# KiCad board HPM1500_DDR2_CORE_RevA.kicad_pcb (continued)
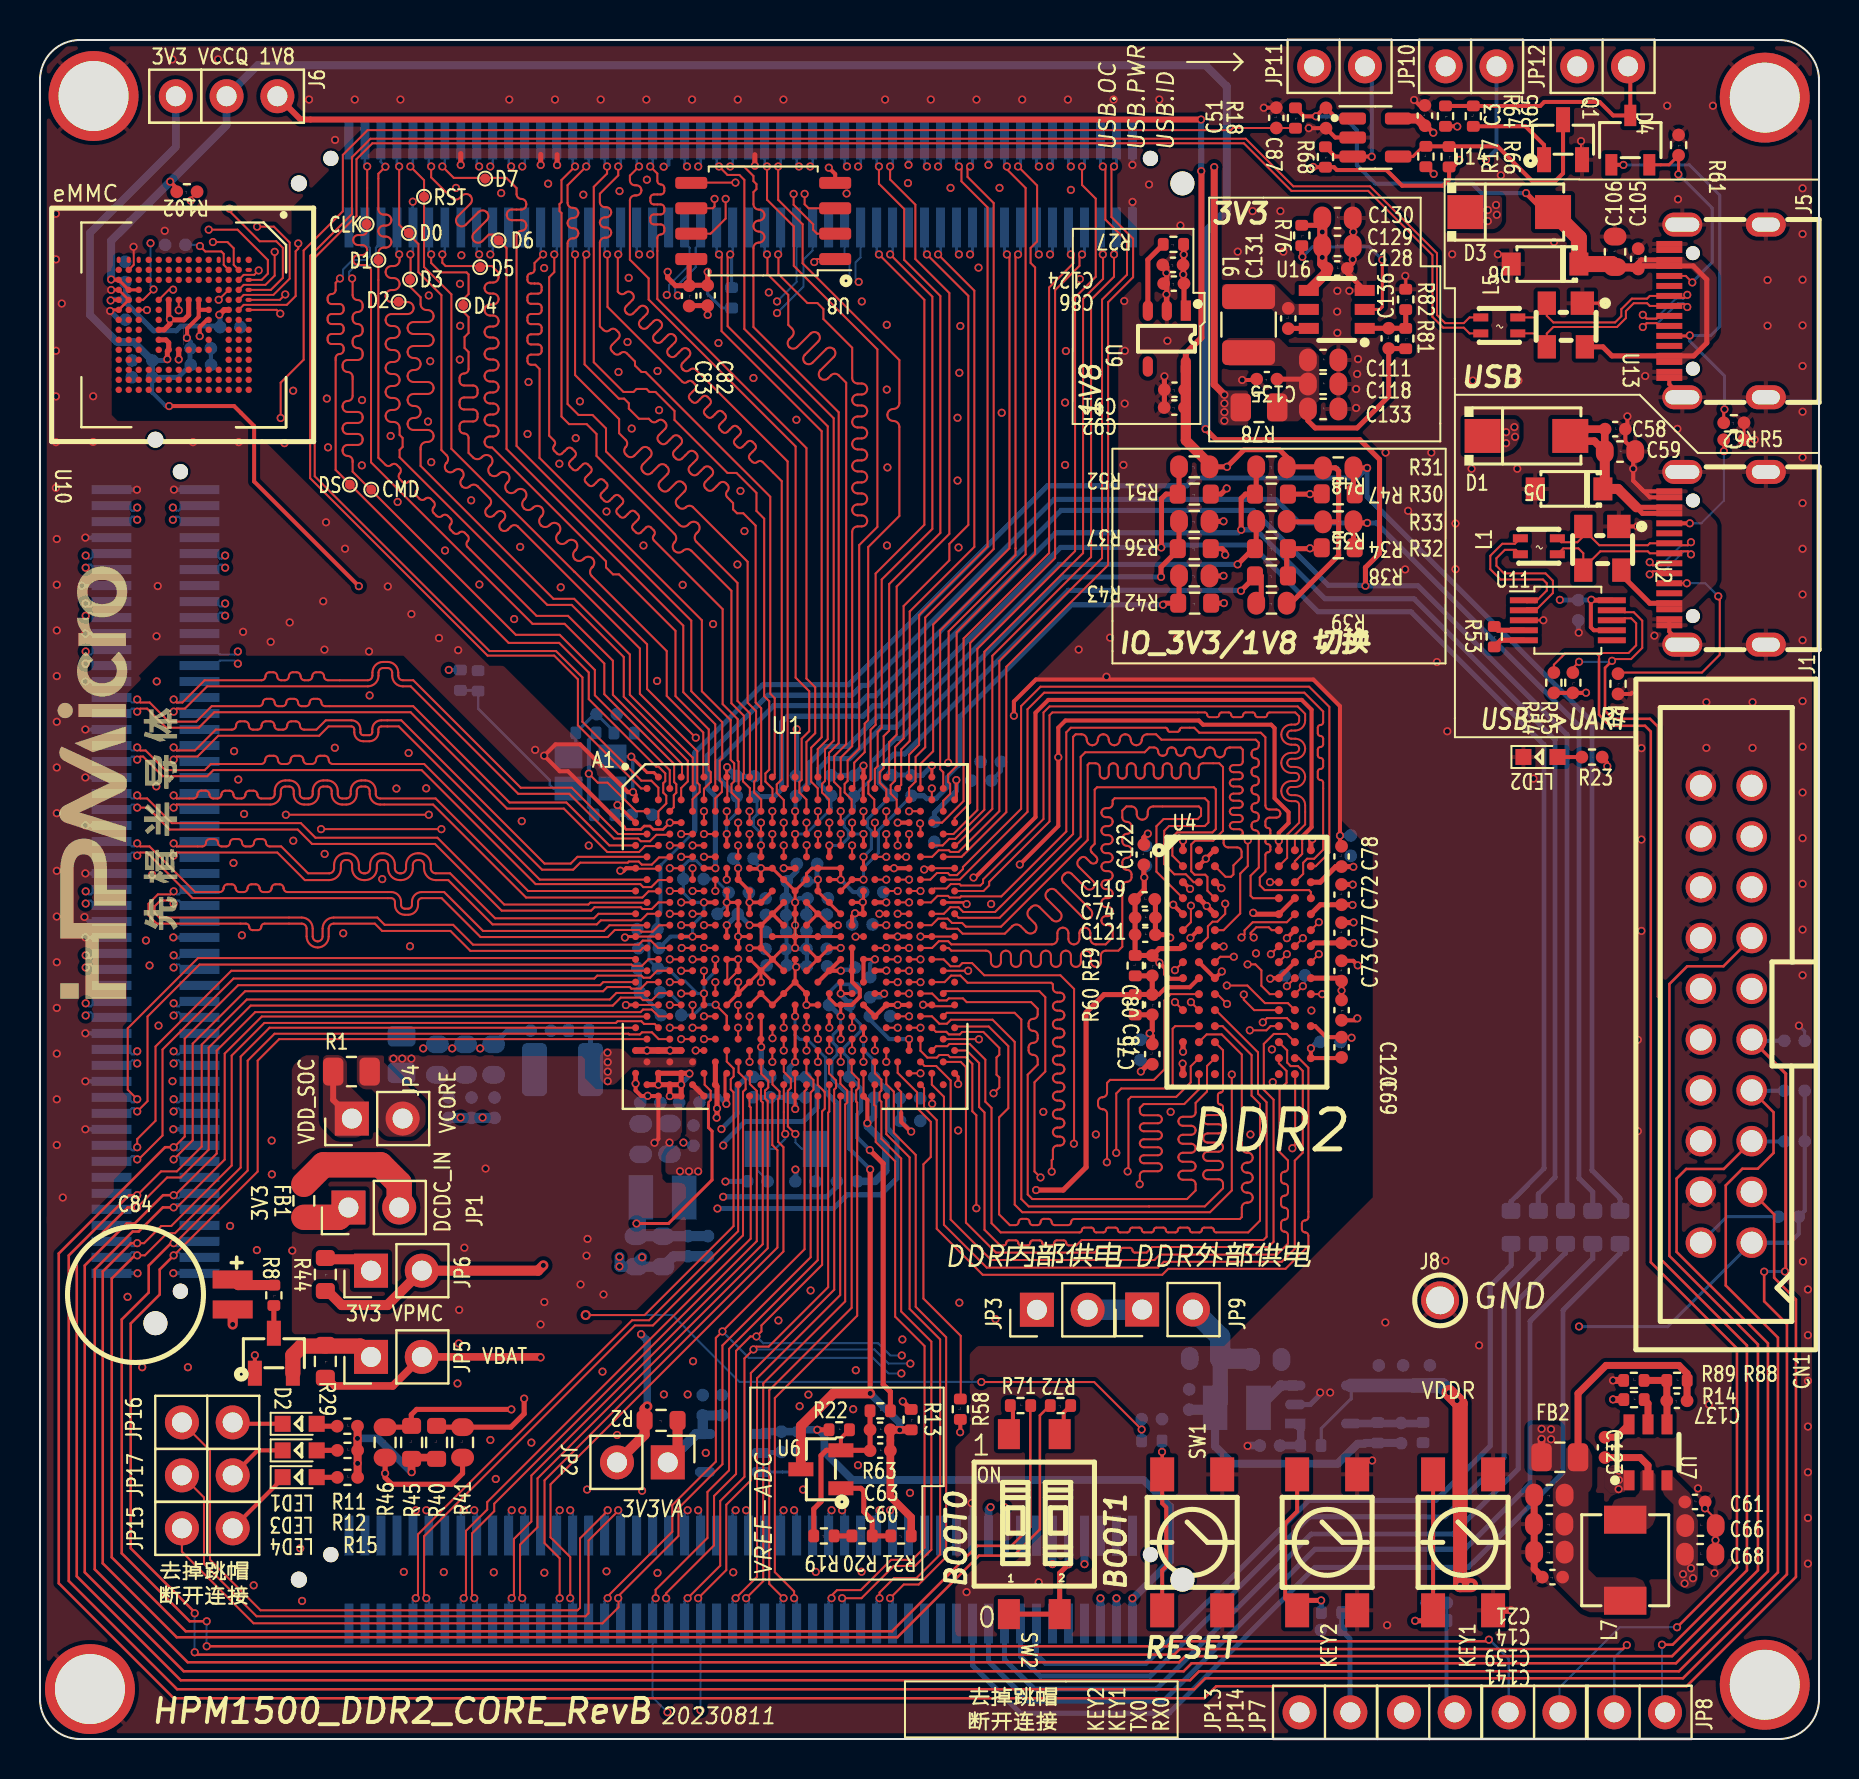
[diagram p0: board, top side]
## Routing (per net, layer and track width the routed paths; a pad name or vN(x,y) marks a point on that pad's centre or on a via; arc(x,y) is an arc through that point) (continued)
  Bottom w0.203: C28.1 48.07,48.42 47.6,47.95
  Bottom w1.016: JP9.1 52.42,21.48 JP3.2
  vias: v1(65.61,35.08)
VDDR_VREF: length 40.1
  Top w0.102: v1(40.8,40.14) 40.81,40.14 U1.R21
  Top w0.152: 42.23,37.3 U1.Y22
  Top w0.203: U4.J2 57.52,37.61 56.33,37.61 55.97,37.25 55.54,37.25
  Top w0.254: 54.79,38.18 C80.2 55.64,37.25 54.8,37.25 R60.2 53.23,37.24 52.33,36.34 52.33,28.6 51.19,27.46 v1(49.83,27.46)
  In2.Cu w0.381: v1(49.83,27.46) 49.76,27.39 44.66,27.39 43.08,28.97 43.08,34.11 42.23,34.96 v1(42.23,37.29) 41.19,38.32 41.19,39.74 v1(40.8,40.14)
  Bottom w0.203: C79.1 42.05,37.1 v1(42.23,37.29)
/Main/DDR2/A0: length 34.9
  Top w0.102: U4.M8 62.38,36.06 61.38,36.06 v1(61.17,35.85) ; v1(47.7,32.3) 47.99,32.59 47.99,33.09 47.85,33.23 47.85,34.09 47.99,34.23 47.99,34.57 47.19,35.37 46.14,35.37 46.01,35.25 45.47,35.25 45.34,35.38 44.82,35.38 U1.AC27
  In2.Cu w0.102: v1(61.17,35.85) 61.17,35.42 arc(61.11,35.28) 60.97,35.22 arc(60.83,35.17) 60.77,35.02 60.77,34.97 arc(60.83,34.82) 60.97,34.77 arc(61.11,34.71) 61.17,34.57 61.17,34.51 arc(61.11,34.37) 60.97,34.31 arc(60.83,34.25) 60.77,34.11 60.77,34.05 arc(60.83,33.91) 60.97,33.85 arc(61.11,33.79) 61.17,33.65 61.17,33.14 60.72,32.69 58.18,32.69 57.31,31.82 57.13,31.82 arc(56.99,31.88) 56.93,32.03 56.93,32.19 arc(56.87,32.33) 56.72,32.39 arc(56.58,32.33) 56.52,32.19 56.52,32.03 arc(56.46,31.88) 56.31,31.82 arc(56.17,31.88) 56.11,32.03 56.11,32.19 arc(56.05,32.33) 55.9,32.39 arc(55.76,32.33) 55.7,32.19 55.7,32.03 arc(55.64,31.88) 55.49,31.82 arc(55.35,31.88) 55.29,32.03 55.29,32.19 arc(55.23,32.33) 55.09,32.39 arc(54.94,32.33) 54.88,32.19 54.88,32.03 arc(54.82,31.88) 54.68,31.82 arc(54.53,31.88) 54.47,32.03 54.47,32.19 arc(54.41,32.33) 54.27,32.39 arc(54.12,32.33) 54.06,32.19 54.06,32.03 arc(54,31.88) 53.86,31.82 arc(53.72,31.88) 53.66,32.03 53.66,32.19 arc(53.6,32.33) 53.45,32.39 arc(53.31,32.33) 53.25,32.19 53.25,32.03 arc(53.19,31.88) 53.04,31.82 arc(52.9,31.88) 52.84,32.03 52.84,32.19 arc(52.78,32.33) 52.63,32.39 arc(52.49,32.33) 52.43,32.19 52.43,32.03 arc(52.37,31.88) 52.22,31.82 arc(52.08,31.88) 52.02,32.03 52.02,32.19 arc(51.96,32.33) 51.82,32.39 arc(51.67,32.33) 51.61,32.19 51.61,32.03 arc(51.55,31.88) 51.41,31.82 arc(51.26,31.88) 51.2,32.03 51.2,32.19 arc(51.14,32.33) 51,32.39 arc(50.85,32.33) 50.79,32.19 50.79,32.03 arc(50.73,31.88) 50.59,31.82 arc(50.44,31.88) 50.38,32.03 50.38,32.19 arc(50.32,32.33) 50.18,32.39 arc(50.04,32.33) 49.98,32.19 49.98,32.03 arc(49.92,31.88) 49.77,31.82 arc(49.63,31.88) 49.57,32.03 49.57,32.19 arc(49.51,32.33) 49.36,32.39 arc(49.22,32.33) 49.16,32.19 49.16,32.03 arc(49.1,31.88) 48.95,31.82 arc(48.81,31.88) 48.75,32.03 48.75,32.19 arc(48.69,32.33) 48.55,32.39 arc(48.4,32.33) 48.34,32.19 48.34,32.03 arc(48.28,31.88) 48.14,31.82 47.91,31.82 47.7,32.03 v1(47.7,32.3)
/Main/DDR2/A1: length 37.8
  Top w0.102: U4.M3 59.16,35.66 60.61,34.21 60.61,32.18 61.03,31.76 61.03,25.93 60.44,25.34 58.84,25.34 arc(58.76,25.38) 58.72,25.47 arc(58.68,25.55) 58.6,25.59 58.24,25.59 arc(58.16,25.55) 58.12,25.47 arc(58.08,25.38) 58,25.34 57.64,25.34 arc(57.56,25.38) 57.52,25.46 arc(57.48,25.55) 57.4,25.58 57.04,25.58 arc(56.96,25.55) 56.92,25.46 arc(56.88,25.38) 56.8,25.34 56.44,25.34 arc(56.36,25.38) 56.32,25.46 arc(56.28,25.55) 56.2,25.58 55.84,25.58 arc(55.76,25.55) 55.72,25.46 arc(55.68,25.38) 55.6,25.34 55.24,25.34 arc(55.16,25.38) 55.12,25.46 arc(55.08,25.55) 55,25.58 54.64,25.58 arc(54.56,25.55) 54.52,25.46 arc(54.48,25.38) 54.4,25.34 54.04,25.34 arc(53.96,25.38) 53.92,25.46 arc(53.88,25.55) 53.8,25.58 53.44,25.58 arc(53.36,25.55) 53.32,25.46 arc(53.28,25.38) 53.2,25.34 52.84,25.34 arc(52.76,25.38) 52.72,25.46 arc(52.68,25.55) 52.6,25.58 52.24,25.58 arc(52.16,25.55) 52.12,25.46 arc(52.08,25.38) 52,25.34 48.06,25.34 47.6,25.8 47.6,31.57 47.29,31.88 47.29,33.99 46.51,34.77 45.49,34.77 45.38,34.66 44.83,34.66 U1.AE27
/Main/DDR2/A2: length 34.9
  Top w0.102: v1(59.62,33.24) 59.62,27.44 58.53,26.35 49.14,26.35 48.76,26.73 48.76,34.87 47.65,35.98 45.57,35.98 45.37,35.78 44.99,35.78 44.62,36.15 U1.AB26 ; v1(60.52,35.45) 61.35,35.45 61.56,35.66 U4.M7
  In2.Cu w0.102: v1(59.62,33.24) 60.22,33.84 60.22,35.15 v1(60.52,35.45)
/Main/DDR2/A3: length 37.9
  Top w0.102: U1.AC29 45.81,35.64 47.46,35.64 48.44,34.66 48.44,31.56 47.98,31.1 47.98,26.24 48.52,25.71 48.8,25.71 arc(48.91,25.76) 48.96,25.87 arc(49,25.98) 49.11,26.02 49.35,26.02 arc(49.46,25.98) 49.51,25.87 arc(49.55,25.76) 49.66,25.71 49.9,25.71 arc(50.01,25.76) 50.06,25.87 arc(50.1,25.98) 50.21,26.02 50.45,26.02 arc(50.56,25.98) 50.61,25.87 arc(50.65,25.76) 50.76,25.71 51.43,25.71 arc(51.54,25.75) 51.58,25.86 arc(51.63,25.97) 51.74,26.01 60.02,26.01 60.12,26.11 60.12,26.58 arc(60.19,26.76) 60.37,26.83 60.42,26.83 arc(60.59,26.91) 60.67,27.08 arc(60.59,27.26) 60.42,27.33 60.37,27.33 arc(60.19,27.41) 60.12,27.58 arc(60.19,27.76) 60.37,27.83 60.42,27.83 arc(60.59,27.91) 60.67,28.08 arc(60.59,28.26) 60.42,28.33 60.37,28.33 arc(60.19,28.41) 60.12,28.58 arc(60.19,28.76) 60.37,28.83 60.42,28.83 arc(60.59,28.91) 60.67,29.08 arc(60.59,29.26) 60.42,29.33 60.37,29.33 arc(60.19,29.41) 60.12,29.58 60.12,34.24 59.12,35.25 58.36,35.25 57.97,34.86
/Main/DDR2/A4: length 37.8
  Top w0.102: 62.78,34.86 62.36,35.27 61.72,35.27 61.22,34.77 61.22,32.47 61.71,31.98 61.71,24.87 61.45,24.61 55.64,24.61 55.36,24.33 54.77,24.33 arc(54.68,24.37) 54.65,24.45 arc(54.61,24.54) 54.53,24.57 54.17,24.57 arc(54.08,24.54) 54.05,24.45 arc(54.01,24.37) 53.93,24.33 53.57,24.33 arc(53.48,24.37) 53.45,24.45 arc(53.41,24.54) 53.33,24.57 52.97,24.57 arc(52.88,24.54) 52.85,24.45 arc(52.81,24.37) 52.73,24.33 47.82,24.33 46.32,25.83 46.32,33.61 46.06,33.87 45.18,33.87
/Main/DDR2/A5: length 37.8
  Top w0.102: U1.AB28 45.36,36.33 48.75,36.33 49.09,35.99 49.09,27.01 49.46,26.64 55.48,26.64 55.48,26.65 58.27,26.65 59.18,27.55 59.18,27.77 arc(59.11,27.94) 58.95,28 58.42,28 arc(58.26,28.07) 58.19,28.23 arc(58.26,28.4) 58.42,28.46 58.95,28.46 arc(59.11,28.53) 59.18,28.69 arc(59.11,28.85) 58.95,28.92 58.42,28.92 arc(58.26,28.99) 58.19,29.15 arc(58.26,29.31) 58.42,29.38 58.95,29.38 arc(59.11,29.45) 59.18,29.61 arc(59.11,29.77) 58.95,29.84 58.42,29.84 arc(58.26,29.91) 58.19,30.07 arc(58.26,30.23) 58.42,30.3 58.95,30.3 arc(59.11,30.37) 59.18,30.53 arc(59.11,30.69) 58.95,30.76 58.42,30.76 arc(58.26,30.82) 58.19,30.99 arc(58.26,31.15) 58.42,31.22 58.95,31.22 arc(59.11,31.28) 59.18,31.45 59.18,31.61 arc(59.14,31.71) 59.05,31.74 arc(58.96,31.78) 58.92,31.87 58.92,32.21 arc(58.96,32.31) 59.05,32.34 arc(59.14,32.38) 59.18,32.47 59.18,34.46 58.78,34.86
/Main/DDR2/A6: length 37.9
  Top w0.102: U1.AG27 44.62,32.73 45.22,32.13 45.22,25.72 47.36,23.58 55.93,23.58 56.22,23.87 62.12,23.87 62.77,24.52 62.77,28.93 63.17,29.33 63.17,33.42 62.93,33.66 62.56,33.66 62.39,33.84 62.39,34.45 61.97,34.86
/Main/DDR2/A7: length 34.9
  Top w0.102: U1.W27 45.25,37.86 45.58,38.19 46.04,38.19 46.4,37.83 50.59,37.83 50.67,37.75 50.67,37.56 arc(50.74,37.41) 50.9,37.34 51.02,37.34 arc(51.18,37.27) 51.25,37.11 arc(51.18,36.96) 51.02,36.89 50.9,36.89 arc(50.74,36.82) 50.67,36.66 arc(50.74,36.51) 50.9,36.44 51.02,36.44 arc(51.18,36.37) 51.25,36.21 arc(51.18,36.06) 51.02,35.99 50.9,35.99 arc(50.74,35.92) 50.67,35.76 arc(50.74,35.61) 50.9,35.54 51.02,35.54 arc(51.18,35.47) 51.25,35.31 arc(51.18,35.16) 51.02,35.09 50.9,35.09 arc(50.74,35.02) 50.67,34.86 arc(50.74,34.71) 50.9,34.64 51.02,34.64 arc(51.18,34.57) 51.25,34.41 arc(51.18,34.26) 51.02,34.19 50.9,34.19 arc(50.74,34.12) 50.67,33.96 arc(50.74,33.81) 50.9,33.74 51.02,33.74 arc(51.18,33.67) 51.25,33.51 arc(51.18,33.36) 51.02,33.29 50.9,33.29 arc(50.74,33.22) 50.67,33.06 arc(50.74,32.91) 50.9,32.84 51.02,32.84 arc(51.18,32.77) 51.25,32.61 arc(51.18,32.46) 51.02,32.39 50.9,32.39 arc(50.74,32.32) 50.67,32.16 arc(50.74,32.01) 50.9,31.94 51.02,31.94 arc(51.18,31.87) 51.25,31.71 arc(51.18,31.56) 51.02,31.49 50.9,31.49 arc(50.74,31.42) 50.67,31.26 arc(50.74,31.11) 50.9,31.04 51.02,31.04 arc(51.18,30.97) 51.25,30.81 arc(51.18,30.66) 51.02,30.59 50.9,30.59 arc(50.74,30.52) 50.67,30.36 arc(50.74,30.21) 50.9,30.14 51.02,30.14 arc(51.18,30.07) 51.25,29.91 arc(51.18,29.76) 51.02,29.69 50.9,29.69 arc(50.74,29.62) 50.67,29.46 50.67,29.01 50.61,28.95 v1(50.61,28.38) ; v1(54.41,28.39) 54.45,28.43 54.45,31.99 54.58,32.12 56.84,32.12 57.56,32.85 57.56,33.65 57.97,34.06
  In2.Cu w0.102: v1(54.41,28.39) 50.62,28.39 v1(50.61,28.38)
/Main/DDR2/A8: length 37.8
  Top w0.102: U1.AH26 44.22,32.55 44.22,31.6 44.86,30.96 44.86,25.52 47.16,23.22 56.14,23.22 56.44,23.52 62.31,23.52 63.45,24.66 63.45,25.18 arc(63.4,25.3) 63.29,25.35 arc(63.17,25.4) 63.12,25.51 63.12,25.78 arc(63.17,25.9) 63.29,25.95 arc(63.4,26) 63.45,26.11 63.45,33.58 62.97,34.06 62.78,34.06
/Main/DDR2/A9: length 37.8
  Top w0.102: 58.78,34.06 58.38,33.67 58.38,32.39 57.81,31.82 57.81,31.35 arc(57.74,31.2) 57.59,31.13 57.17,31.13 arc(57.01,31.06) 56.95,30.9 arc(57.01,30.75) 57.17,30.68 57.59,30.68 arc(57.74,30.61) 57.81,30.45 arc(57.74,30.3) 57.59,30.23 57.17,30.23 arc(57.01,30.16) 56.95,30 arc(57.01,29.85) 57.17,29.78 57.59,29.78 arc(57.74,29.71) 57.81,29.55 arc(57.74,29.4) 57.59,29.33 57.17,29.33 arc(57.01,29.26) 56.95,29.1 arc(57.01,28.95) 57.17,28.88 57.59,28.88 arc(57.74,28.81) 57.81,28.65 arc(57.74,28.5) 57.59,28.43 57.17,28.43 arc(57.01,28.36) 56.95,28.2 arc(57.01,28.05) 57.17,27.98 57.59,27.98 arc(57.74,27.91) 57.81,27.75 57.81,27.44 57.38,27.01 49.64,27.01 49.41,27.24 49.41,33.23 49.91,33.73 49.91,34 arc(49.84,34.16) 49.68,34.23 arc(49.52,34.29) 49.45,34.45 49.45,34.6 arc(49.52,34.76) 49.68,34.83 arc(49.84,34.89) 49.91,35.05 49.91,35.2 arc(49.84,35.36) 49.68,35.43 arc(49.52,35.49) 49.45,35.65 49.45,35.8 arc(49.52,35.96) 49.68,36.03 arc(49.84,36.09) 49.91,36.25 49.91,36.53 49.58,36.86 46.36,36.86 46.17,37.05 45.46,37.05 45.36,36.95 44.97,36.95 44.63,37.29 U1.Y26
/Main/DDR2/A10: length 34.9
  Top w0.102: U4.M2 56.79,35.66 56.66,35.53 56.66,32.73 56.47,32.54 54.09,32.54 53.84,32.29 v1(53.84,29.32) ; U1.AC23 v1(42.91,35.58)
  In2.Cu w0.102: v1(42.91,35.58) 42.91,35.02 44.99,32.94 44.99,31.47 44.58,31.06 44.58,29.56 44.82,29.32 45.05,29.32 arc(45.19,29.38) 45.25,29.52 45.25,29.78 arc(45.31,29.93) 45.45,29.98 arc(45.59,29.93) 45.65,29.78 45.65,29.52 arc(45.71,29.38) 45.85,29.32 arc(45.99,29.38) 46.05,29.52 46.05,29.78 arc(46.11,29.93) 46.25,29.98 arc(46.39,29.93) 46.45,29.78 46.45,29.52 arc(46.51,29.38) 46.65,29.32 arc(46.79,29.38) 46.85,29.52 46.85,29.78 arc(46.91,29.93) 47.05,29.98 arc(47.19,29.93) 47.25,29.78 47.25,29.52 arc(47.31,29.38) 47.45,29.32 arc(47.59,29.38) 47.65,29.52 47.65,29.78 arc(47.71,29.93) 47.85,29.98 arc(47.99,29.93) 48.05,29.78 48.05,29.52 arc(48.11,29.38) 48.25,29.32 arc(48.39,29.38) 48.45,29.52 48.45,29.78 arc(48.51,29.93) 48.65,29.98 arc(48.79,29.93) 48.85,29.78 48.85,29.52 arc(48.91,29.38) 49.05,29.32 arc(49.19,29.38) 49.25,29.52 49.25,29.78 arc(49.31,29.93) 49.45,29.98 arc(49.59,29.93) 49.65,29.78 49.65,29.52 arc(49.71,29.38) 49.85,29.32 arc(49.99,29.38) 50.05,29.52 50.05,29.78 arc(50.11,29.93) 50.25,29.98 arc(50.39,29.93) 50.45,29.78 50.45,29.52 arc(50.51,29.38) 50.65,29.32 arc(50.79,29.38) 50.85,29.52 50.85,29.78 arc(50.91,29.93) 51.05,29.98 arc(51.19,29.93) 51.25,29.78 51.25,29.52 arc(51.31,29.38) 51.45,29.32 v1(53.84,29.32)
/Main/DDR2/A11: length 37.8
  Top w0.102: U1.AF26 44.25,33.67 44.83,33.67 45.56,32.94 45.56,25.99 47.58,23.96 55.75,23.96 56.02,24.23 61.88,24.23 62.43,24.78 62.43,25.21 arc(62.38,25.33) 62.26,25.38 arc(62.13,25.43) 62.08,25.55 62.08,25.81 arc(62.13,25.93) 62.26,25.98 arc(62.38,26.03) 62.43,26.15 62.43,26.41 arc(62.38,26.53) 62.26,26.58 arc(62.13,26.63) 62.08,26.75 62.08,27.01 arc(62.13,27.13) 62.26,27.18 arc(62.38,27.23) 62.43,27.35 62.43,27.61 arc(62.38,27.73) 62.26,27.78 arc(62.13,27.83) 62.08,27.95 62.08,28.21 arc(62.13,28.33) 62.26,28.38 arc(62.38,28.43) 62.43,28.55 62.43,28.94 62.01,29.36 62.01,32.48 62.36,32.83 62.36,33.42 61.97,33.8 61.97,34.06
/Main/DDR2/A12: length 34.9
  Top w0.102: v1(55.01,27.75) 55.02,27.76 55.02,28.2 arc(55.08,28.35) 55.22,28.4 55.92,28.4 arc(56.07,28.46) 56.12,28.6 arc(56.07,28.75) 55.92,28.8 55.22,28.8 arc(55.08,28.86) 55.02,29 arc(55.08,29.15) 55.22,29.2 55.92,29.2 arc(56.07,29.26) 56.12,29.4 arc(56.07,29.55) 55.92,29.6 55.22,29.6 arc(55.08,29.66) 55.02,29.8 arc(55.08,29.95) 55.22,30 55.92,30 arc(56.07,30.06) 56.12,30.2 arc(56.07,30.35) 55.92,30.4 55.22,30.4 arc(55.08,30.46) 55.02,30.6 arc(55.08,30.75) 55.22,30.8 55.92,30.8 arc(56.07,30.86) 56.12,31 arc(56.07,31.15) 55.92,31.2 55.22,31.2 arc(55.08,31.26) 55.02,31.4 55.02,31.57 55.21,31.76 57.24,31.76 57.97,32.5 U4.R2 ; U1.AD26 44.05,34.43 44.39,34.09 44.86,34.09 44.99,34.22 45.42,34.22 45.53,34.11 46.31,34.11 46.64,33.78 46.64,31.4 46.84,31.2 v1(46.84,26.55)
  In2.Cu w0.102: v1(46.84,26.55) 46.85,26.54 50.1,26.54 50.99,27.43 54.69,27.43 v1(55.01,27.75)
/Main/DDR2/A13: length 34.9
  Top w0.102: v1(50.05,28.09) 49.75,28.39 49.75,32.85 50.29,33.39 50.29,37.11 49.99,37.41 45.31,37.41 U1.Y28 ; U4.R8 62.79,33.25 62.79,29.69 v1(62.65,29.55)
  In2.Cu w0.102: v1(50.05,28.09) 50.06,28.09 50.25,27.9 54.6,27.9 54.88,28.18 54.88,28.89 55.2,29.21 55.67,29.21 arc(55.83,29.15) 55.9,28.99 55.9,28.79 arc(55.96,28.63) 56.12,28.57 arc(56.28,28.63) 56.34,28.79 56.34,28.99 arc(56.41,29.15) 56.57,29.21 arc(56.73,29.15) 56.8,28.99 56.8,28.79 arc(56.86,28.63) 57.02,28.57 arc(57.18,28.63) 57.25,28.79 57.25,28.99 arc(57.31,29.15) 57.47,29.21 arc(57.63,29.15) 57.69,28.99 57.69,28.79 arc(57.76,28.63) 57.92,28.57 arc(58.08,28.63) 58.15,28.79 58.15,28.99 arc(58.21,29.15) 58.37,29.21 62.31,29.21 v1(62.65,29.55)
/Main/DDR2/BA0: length 34.9
  Top w0.102: U4.L2 v1(57.58,36.86) ; U1.U25 v1(44.05,39)
  In2.Cu w0.102: v1(57.58,36.86) 57.58,37.84 57.41,38 55.65,38 55.51,38.14 55.51,38.79 55.3,39 54.93,39 arc(54.78,38.95) 54.72,38.8 54.72,38.11 arc(54.66,37.97) 54.52,37.91 arc(54.37,37.97) 54.31,38.11 54.31,38.8 arc(54.25,38.95) 54.11,39 arc(53.96,38.95) 53.9,38.8 53.9,38.11 arc(53.84,37.97) 53.7,37.91 arc(53.56,37.97) 53.5,38.11 53.5,38.8 arc(53.44,38.95) 53.29,39 arc(53.15,38.95) 53.09,38.8 53.09,38.11 arc(53.03,37.97) 52.88,37.91 arc(52.74,37.97) 52.68,38.11 52.68,38.8 arc(52.62,38.95) 52.47,39 arc(52.33,38.95) 52.27,38.8 52.27,38.11 arc(52.21,37.97) 52.06,37.91 arc(51.92,37.97) 51.86,38.11 51.86,38.8 arc(51.8,38.95) 51.66,39 arc(51.51,38.95) 51.45,38.8 51.45,38.11 arc(51.39,37.97) 51.25,37.91 arc(51.1,37.97) 51.04,38.11 51.04,38.8 arc(50.98,38.95) 50.84,39 arc(50.69,38.95) 50.63,38.8 50.63,38.11 arc(50.57,37.97) 50.43,37.91 arc(50.28,37.97) 50.22,38.11 50.22,38.8 arc(50.16,38.95) 50.02,39 arc(49.88,38.95) 49.82,38.8 49.82,38.11 arc(49.76,37.97) 49.61,37.91 arc(49.47,37.97) 49.41,38.11 49.41,38.8 arc(49.35,38.95) 49.2,39 arc(49.06,38.95) 49,38.8 49,38.11 arc(48.94,37.97) 48.79,37.91 arc(48.65,37.97) 48.59,38.11 48.59,38.8 arc(48.53,38.95) 48.39,39 arc(48.24,38.95) 48.18,38.8 48.18,38.11 arc(48.12,37.97) 47.98,37.91 arc(47.83,37.97) 47.77,38.11 47.77,38.8 arc(47.71,38.95) 47.57,39 arc(47.42,38.95) 47.36,38.8 47.36,38.11 arc(47.3,37.97) 47.16,37.91 arc(47.01,37.97) 46.95,38.11 46.95,38.8 arc(46.89,38.95) 46.75,39 v1(44.05,39)
/Main/DDR2/BA1: length 37.9
  Top w0.102: U1.AE29 46.36,34.44 46.98,33.82 46.98,31.61 47.25,31.34 47.25,25.47 48.03,24.69 48.21,24.69 arc(48.3,24.73) 48.34,24.82 arc(48.37,24.91) 48.46,24.95 48.81,24.95 arc(48.9,24.91) 48.94,24.82 arc(48.97,24.73) 49.06,24.69 49.41,24.69 arc(49.5,24.73) 49.54,24.82 arc(49.57,24.91) 49.66,24.95 50.01,24.95 arc(50.1,24.91) 50.14,24.82 arc(50.17,24.73) 50.26,24.69 50.61,24.69 arc(50.7,24.73) 50.74,24.82 arc(50.77,24.91) 50.86,24.95 51.21,24.95 arc(51.3,24.91) 51.34,24.82 arc(51.37,24.73) 51.46,24.69 51.84,24.69 52.11,24.96 61.2,24.96 61.36,25.12 61.36,31.85 60.93,32.28 60.93,34.35 58.82,36.46 U4.L3
/Main/DDR2/BA2: length 34.9
  Top w0.102: U4.L1 v1(56.78,36.86) ; v1(42.91,39) U1.U23
  In2.Cu w0.102: v1(42.91,39) 43,38.91 43.54,38.91 43.87,38.57 45.91,38.57 46,38.48 46,37.86 46.27,37.59 46.46,37.59 arc(46.6,37.54) 46.66,37.39 46.66,37.04 arc(46.72,36.9) 46.87,36.84 arc(47.01,36.9) 47.07,37.04 47.07,37.39 arc(47.13,37.54) 47.28,37.59 arc(47.42,37.54) 47.48,37.39 47.48,36.84 arc(47.54,36.7) 47.69,36.64 arc(47.83,36.7) 47.89,36.84 47.89,37.39 arc(47.95,37.54) 48.1,37.59 arc(48.24,37.54) 48.3,37.39 48.3,36.84 arc(48.36,36.7) 48.5,36.64 arc(48.65,36.7) 48.71,36.84 48.71,37.39 arc(48.77,37.54) 48.91,37.59 arc(49.06,37.54) 49.12,37.39 49.12,36.84 arc(49.18,36.7) 49.32,36.64 arc(49.47,36.7) 49.53,36.84 49.53,37.39 arc(49.59,37.54) 49.73,37.59 arc(49.87,37.54) 49.93,37.39 49.93,36.84 arc(49.99,36.7) 50.14,36.64 arc(50.28,36.7) 50.34,36.84 50.34,37.39 arc(50.4,37.54) 50.55,37.59 arc(50.69,37.54) 50.75,37.39 50.75,36.84 arc(50.81,36.7) 50.96,36.64 arc(51.1,36.7) 51.16,36.84 51.16,37.39 arc(51.22,37.54) 51.37,37.59 arc(51.51,37.54) 51.57,37.39 51.57,36.84 arc(51.63,36.7) 51.77,36.64 arc(51.92,36.7) 51.98,36.84 51.98,37.39 arc(52.04,37.54) 52.18,37.59 arc(52.33,37.54) 52.39,37.39 52.39,36.84 arc(52.45,36.7) 52.59,36.64 arc(52.74,36.7) 52.8,36.84 52.8,37.39 arc(52.86,37.54) 53,37.59 arc(53.15,37.54) 53.21,37.39 53.21,36.84 arc(53.27,36.7) 53.41,36.64 arc(53.55,36.7) 53.61,36.84 53.61,37.39 arc(53.67,37.54) 53.82,37.59 arc(53.96,37.54) 54.02,37.39 54.02,36.84 arc(54.08,36.7) 54.23,36.64 arc(54.37,36.7) 54.43,36.84 54.43,37.39 arc(54.49,37.54) 54.64,37.59 arc(54.78,37.54) 54.84,37.39 54.84,36.84 arc(54.9,36.7) 55.04,36.64 arc(55.19,36.7) 55.25,36.84 55.25,37.39 arc(55.31,37.54) 55.45,37.59 arc(55.6,37.54) 55.66,37.39 55.66,36.84 arc(55.72,36.7) 55.86,36.64 arc(56.01,36.7) 56.07,36.84 56.07,37.39 arc(56.13,37.54) 56.27,37.59 56.6,37.59 56.78,37.42 v1(56.78,36.86)
/Main/DDR2/CAS: length 34.9
  Top w0.102: U4.L7 60.74,36.46 60.22,36.98 v1(60.22,37.24) ; v1(44.05,37.86) U1.W25
  In2.Cu w0.102: v1(44.05,37.86) 44.94,37.86 46.33,36.47 46.33,36.17 46.13,35.97 46.13,35.71 46.41,35.43 47.28,35.43 47.4,35.31 47.4,34.71 47.61,34.5 47.8,34.5 arc(47.94,34.56) 48,34.71 48,35.13 arc(48.06,35.27) 48.21,35.33 arc(48.35,35.27) 48.41,35.13 48.41,34.71 arc(48.47,34.56) 48.62,34.5 arc(48.76,34.56) 48.82,34.71 48.82,35.13 arc(48.88,35.27) 49.03,35.33 arc(49.17,35.27) 49.23,35.13 49.23,34.71 arc(49.29,34.56) 49.44,34.5 arc(49.58,34.56) 49.64,34.71 49.64,35.13 arc(49.7,35.27) 49.84,35.33 arc(49.99,35.27) 50.05,35.13 50.05,34.71 arc(50.11,34.56) 50.25,34.5 arc(50.4,34.56) 50.46,34.71 50.46,35.13 arc(50.52,35.27) 50.66,35.33 arc(50.81,35.27) 50.87,35.13 50.87,34.71 arc(50.93,34.56) 51.07,34.5 arc(51.21,34.56) 51.27,34.71 51.27,35.13 arc(51.33,35.27) 51.48,35.33 arc(51.62,35.27) 51.68,35.13 51.68,34.71 arc(51.74,34.56) 51.89,34.5 arc(52.03,34.56) 52.09,34.71 52.09,35.13 arc(52.15,35.27) 52.3,35.33 arc(52.44,35.27) 52.5,35.13 52.5,34.71 arc(52.56,34.56) 52.71,34.5 arc(52.85,34.56) 52.91,34.71 52.91,35.13 arc(52.97,35.27) 53.11,35.33 arc(53.26,35.27) 53.32,35.13 53.32,34.71 arc(53.38,34.56) 53.52,34.5 arc(53.67,34.56) 53.73,34.71 53.73,35.13 arc(53.79,35.27) 53.93,35.33 arc(54.08,35.27) 54.14,35.13 54.14,34.71 arc(54.2,34.56) 54.34,34.5 arc(54.49,34.56) 54.55,34.71 54.55,35.13 arc(54.61,35.27) 54.75,35.33 arc(54.89,35.27) 54.95,35.13 54.95,34.71 arc(55.01,34.56) 55.16,34.5 55.35,34.5 55.44,34.59 55.89,34.59 55.98,34.5 56.29,34.5 57.57,35.78 57.92,35.78 58.23,36.09 58.23,37.05 58.42,37.24 v1(60.22,37.24)
/Main/DDR2/CKE: length 34.9
  Top w0.102: U1.AG25 v1(44.05,33.3) ; U4.K2 56.56,37.26 56.25,36.95 56.25,33.5 55.72,32.97 53.53,32.97 53.38,32.82 53.38,32.33 arc(53.31,32.17) 53.15,32.11 arc(52.99,32.04) 52.93,31.88 52.93,31.73 arc(52.99,31.57) 53.15,31.51 arc(53.31,31.44) 53.38,31.28 53.38,28.86 v1(53.37,28.85)
  In2.Cu w0.102: v1(44.05,33.3) 44.05,32.94 arc(43.99,32.82) 43.87,32.77 43.77,32.77 arc(43.65,32.71) 43.59,32.59 arc(43.65,32.46) 43.77,32.41 43.87,32.41 arc(43.99,32.36) 44.05,32.23 arc(43.99,32.11) 43.87,32.05 43.77,32.05 arc(43.65,32) 43.59,31.88 arc(43.65,31.75) 43.77,31.7 43.87,31.7 arc(43.99,31.65) 44.05,31.52 arc(43.99,31.39) 43.87,31.34 43.77,31.34 arc(43.65,31.29) 43.59,31.16 arc(43.65,31.04) 43.77,30.98 43.87,30.98 arc(43.99,30.93) 44.05,30.81 44.05,28.7 44.5,28.24 45.19,28.24 arc(45.33,28.3) 45.39,28.45 45.39,28.74 arc(45.45,28.89) 45.59,28.94 arc(45.74,28.89) 45.8,28.74 45.8,28.45 arc(45.86,28.3) 46,28.24 arc(46.14,28.3) 46.2,28.45 46.2,28.74 arc(46.26,28.89) 46.41,28.94 arc(46.55,28.89) 46.61,28.74 46.61,28.45 arc(46.67,28.3) 46.81,28.24 arc(46.96,28.3) 47.01,28.45 47.01,28.74 arc(47.07,28.89) 47.22,28.94 arc(47.36,28.89) 47.42,28.74 47.42,28.45 arc(47.48,28.3) 47.62,28.24 arc(47.77,28.3) 47.83,28.45 47.83,28.74 arc(47.89,28.89) 48.03,28.94 arc(48.17,28.89) 48.23,28.74 48.23,28.45 arc(48.29,28.3) 48.44,28.24 arc(48.58,28.3) 48.64,28.45 48.64,28.74 arc(48.7,28.89) 48.84,28.94 arc(48.99,28.89) 49.05,28.74 49.05,28.45 arc(49.11,28.3) 49.25,28.24 49.49,28.24 50.1,28.85 v1(53.37,28.85)
/Main/DDR2/CKN: length 35.5
  Top w0.102: U4.K8 v1(63.18,37.66) ; v1(44.05,35.58) U1.AC25
  In2.Cu w0.097: v1(63.18,37.66) 62.86,37.35 62.86,37.09 63.21,36.74 63.21,36.36 arc(63.07,36.03) 62.73,35.89 62.58,35.89 arc(62.46,35.84) 62.41,35.71 62.41,35.56 arc(62.46,35.43) 62.58,35.38 62.73,35.38 arc(63.07,35.24) 63.21,34.91 63.21,34.75 arc(63.07,34.41) 62.73,34.27 62.58,34.27 arc(62.46,34.22) 62.41,34.1 62.41,33.94 arc(62.46,33.81) 62.58,33.76 62.73,33.76 arc(63.07,33.62) 63.21,33.29 63.21,31.91 61.94,30.65 60.78,30.65 arc(60.42,30.79) 60.28,31.15 60.28,31.34 arc(60.22,31.49) 60.07,31.55 arc(59.93,31.49) 59.87,31.34 59.87,31.15 arc(59.72,30.79) 59.36,30.65 arc(59.01,30.79) 58.86,31.15 58.86,31.34 arc(58.8,31.49) 58.65,31.55 arc(58.51,31.49) 58.45,31.34 58.45,31.15 arc(58.3,30.79) 57.94,30.65 57.53,30.65 arc(57.45,30.61) 57.41,30.53 arc(57.38,30.44) 57.29,30.41 56.93,30.41 arc(56.85,30.44) 56.81,30.53 arc(56.78,30.61) 56.69,30.65 46.81,30.65 46.45,31 46.45,32.98 44.05,35.39 v1(44.05,35.58)
  Bottom w0.102: v1(63.18,37.66) 63.28,37.77 R10.1
/Main/DDR2/CKP: length 35.5
  Top w0.102: U4.J8 v1(62.38,37.66) ; U1.AB24 v1(43.47,36.15)
  In2.Cu w0.097: v1(62.38,37.66) 62.56,37.48 62.56,36.96 62.91,36.62 62.91,36.36 arc(62.85,36.24) 62.73,36.19 62.58,36.19 arc(62.25,36.05) 62.11,35.71 62.11,35.56 arc(62.25,35.22) 62.58,35.08 62.73,35.08 arc(62.85,35.03) 62.91,34.91 62.91,34.75 arc(62.85,34.62) 62.73,34.57 62.58,34.57 arc(62.25,34.43) 62.11,34.1 62.11,33.94 arc(62.25,33.6) 62.58,33.46 62.73,33.46 arc(62.85,33.41) 62.91,33.29 62.91,32.02 61.83,30.94 60.78,30.94 arc(60.64,31) 60.58,31.15 60.58,31.34 arc(60.43,31.7) 60.07,31.85 arc(59.71,31.7) 59.57,31.34 59.57,31.15 arc(59.51,31) 59.36,30.94 arc(59.22,31) 59.16,31.15 59.16,31.34 arc(59.01,31.7) 58.65,31.85 arc(58.3,31.7) 58.15,31.34 58.15,31.15 arc(58.09,31) 57.94,30.94 46.93,30.94 46.75,31.13 46.75,33.12 44.48,35.39 44.48,35.8 44.13,36.15 v1(43.47,36.15)
  Bottom w0.102: v1(62.38,37.66) 62.38,38.09 R10.2
/Main/DDR2/CS#: length 34.9
  Top w0.102: v1(59.37,37.69) 60.4,37.69 61.28,36.82 62.42,36.82 U4.L8 ; U1.V24 v1(43.47,38.43)
  In2.Cu w0.102: v1(43.47,38.43) 43.62,38.29 44.98,38.29 47.01,36.26 47.33,36.26 arc(47.47,36.21) 47.53,36.06 47.53,35.79 arc(47.59,35.64) 47.74,35.58 arc(47.88,35.64) 47.94,35.79 47.94,36.06 arc(48,36.21) 48.15,36.26 arc(48.29,36.21) 48.35,36.06 48.35,35.79 arc(48.41,35.64) 48.56,35.58 arc(48.7,35.64) 48.76,35.79 48.76,36.06 arc(48.82,36.21) 48.97,36.26 arc(49.11,36.21) 49.17,36.06 49.17,35.79 arc(49.23,35.64) 49.37,35.58 arc(49.52,35.64) 49.58,35.79 49.58,36.06 arc(49.64,36.21) 49.78,36.26 arc(49.93,36.21) 49.99,36.06 49.99,35.79 arc(50.05,35.64) 50.19,35.58 arc(50.34,35.64) 50.4,35.79 50.4,36.06 arc(50.46,36.21) 50.6,36.26 arc(50.74,36.21) 50.8,36.06 50.8,35.79 arc(50.86,35.64) 51.01,35.58 arc(51.15,35.64) 51.21,35.79 51.21,36.06 arc(51.27,36.21) 51.42,36.26 arc(51.56,36.21) 51.62,36.06 51.62,35.79 arc(51.68,35.64) 51.83,35.58 arc(51.97,35.64) 52.03,35.79 52.03,36.06 arc(52.09,36.21) 52.24,36.26 arc(52.38,36.21) 52.44,36.06 52.44,35.79 arc(52.5,35.64) 52.64,35.58 arc(52.79,35.64) 52.85,35.79 52.85,36.06 arc(52.91,36.21) 53.05,36.26 arc(53.2,36.21) 53.26,36.06 53.26,35.79 arc(53.32,35.64) 53.46,35.58 arc(53.61,35.64) 53.67,35.79 53.67,36.06 arc(53.73,36.21) 53.87,36.26 arc(54.02,36.21) 54.08,36.06 54.08,35.79 arc(54.14,35.64) 54.28,35.58 arc(54.42,35.64) 54.48,35.79 54.48,36.06 arc(54.54,36.21) 54.69,36.26 arc(54.83,36.21) 54.89,36.06 54.89,35.84 arc(54.95,35.69) 55.1,35.63 arc(55.24,35.69) 55.3,35.84 55.3,36.06 arc(55.36,36.21) 55.51,36.26 arc(55.65,36.21) 55.71,36.06 55.71,35.79 arc(55.77,35.64) 55.91,35.58 arc(56.06,35.64) 56.12,35.79 56.12,36.06 arc(56.18,36.21) 56.32,36.26 arc(56.47,36.21) 56.53,36.06 56.53,35.79 arc(56.59,35.64) 56.73,35.58 arc(56.88,35.64) 56.94,35.79 56.94,36.06 arc(57,36.21) 57.14,36.26 57.77,36.26 57.95,36.44 57.95,37.78 58.1,37.93 58.55,37.93 58.79,37.69 v1(59.37,37.69)
